# Altium PCB PDM_Rev3.PcbDoc (part 2 of 2)
Units mm, origin at the board's own origin, x right, y up, seen from the top; angles counter-clockwise.
Board outline 93.51 x 85.5 mm, 4 copper layers (Signal Top, Int1 (GND), Int2 (PWR), Signal Bottom), stack 1.766 mm thick; 119 components, 88 nets, 414 pads, 566 vias.
Unrouted connection lines stored in the file: 5.
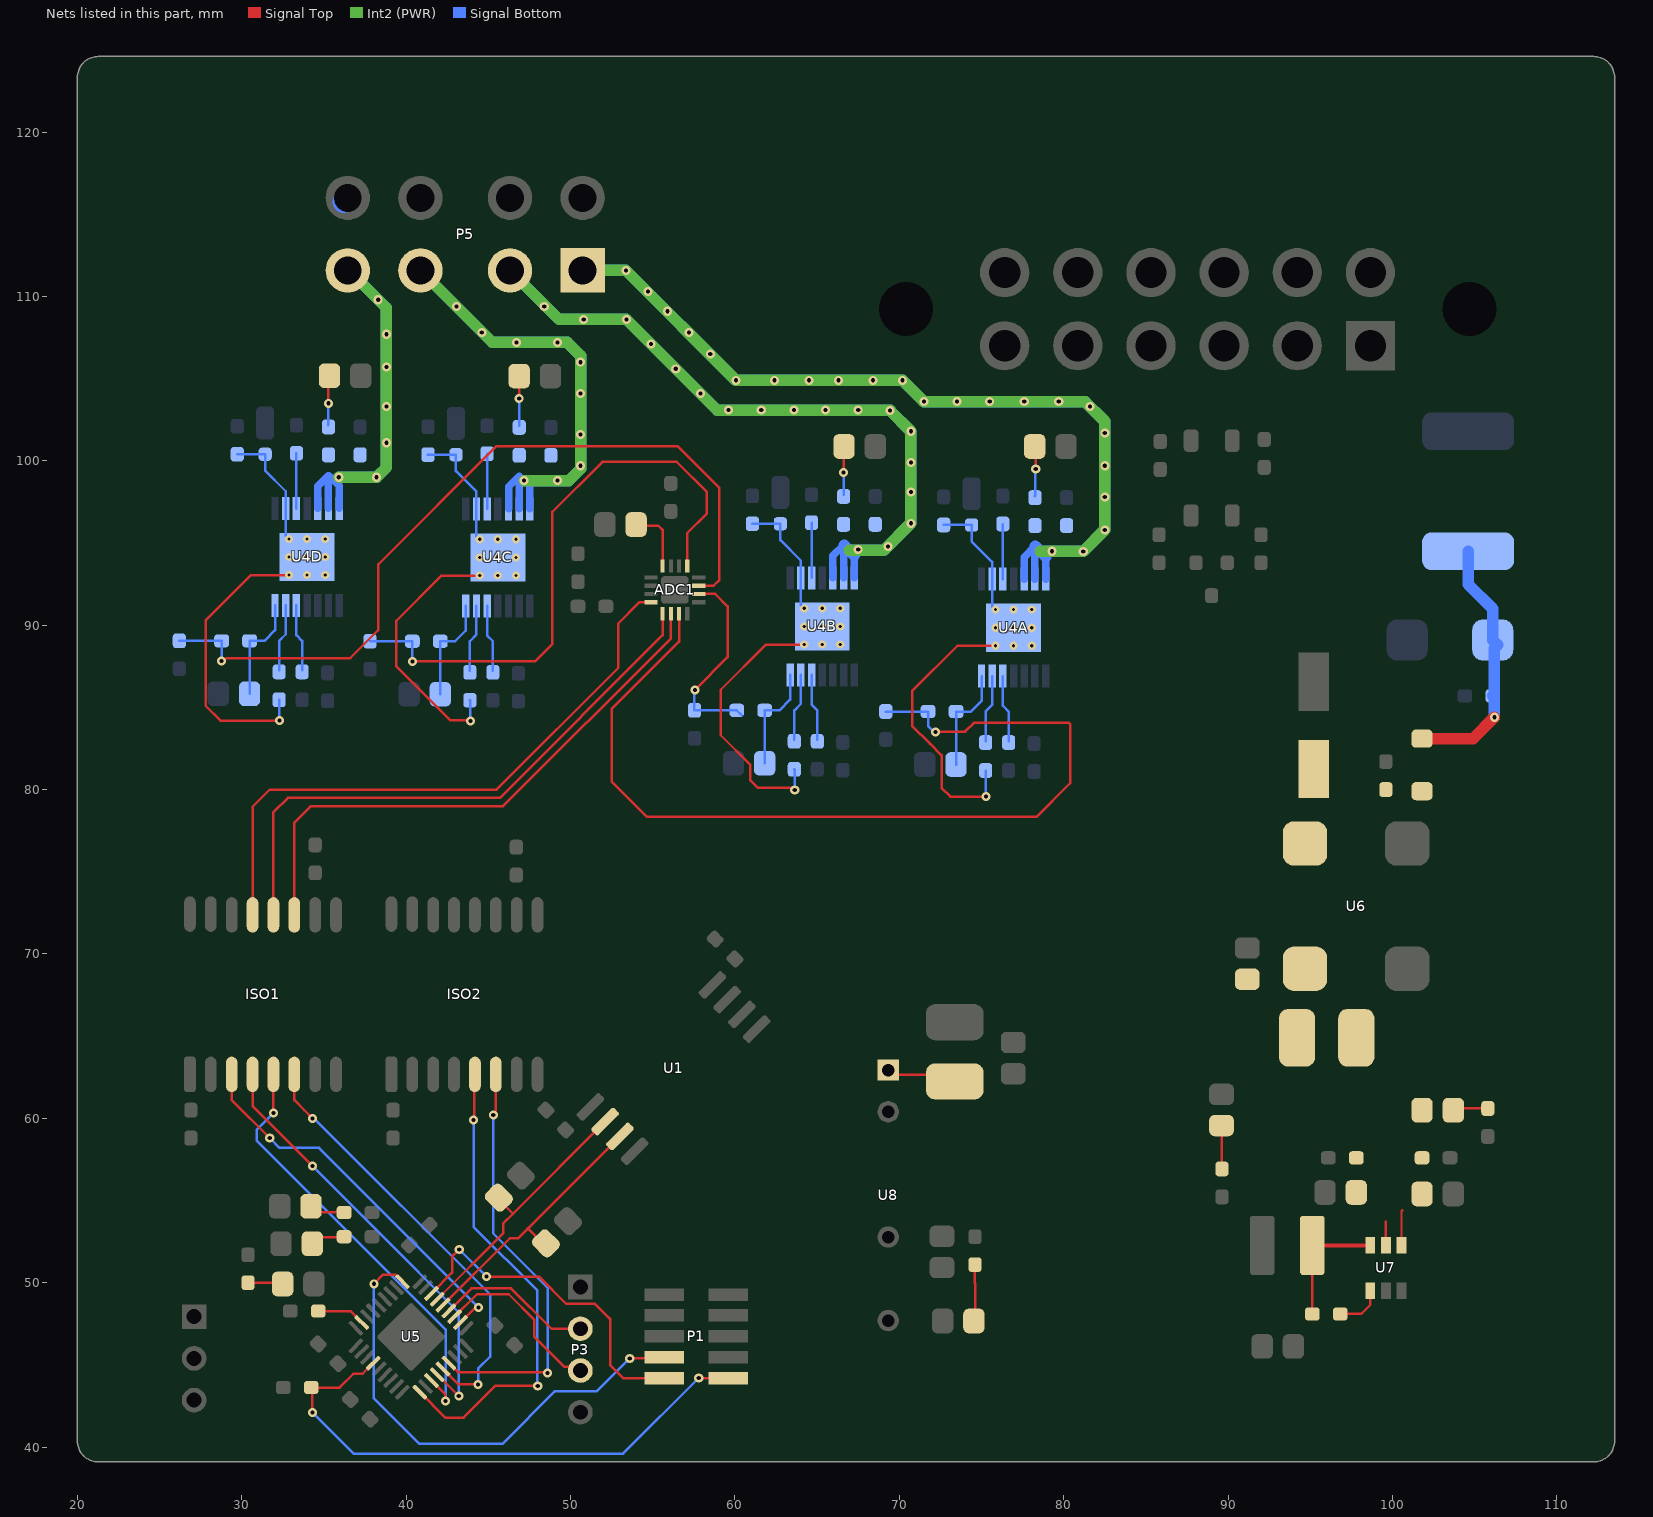
[diagram p4: the nets of this part, all layers, seen from the top]

## Via types
v1: diameter 0.55, hole 0.25, Signal Top to Signal Bottom, 530 vias
v2: diameter 0.5, hole 0.2, Signal Top to Signal Bottom, 36 vias

## Nets (pads, with @x,y where several pads share a name; then routed paths per layer and width w, separated by ;. In a path a pad name is that pad's centre, name@x,y a point inside that pad or via, vN(x,y) a via of type N, cw(c..) or ccw(c..) an arc to the next point about the centre after c; other vN are vias at no path point) (continued)
HSD_EN_(ISO)_3: ISO2.5 U5.10 | length 29.2
  Signal Top w0.152: U5.10@40.83,43.341 42.372,41.8 43.489,41.8 45.416,43.727 v1(48.005,43.727) ; v1(44.1,59.9) 44.141,59.941 44.141,62.634 ISO2.5@44.182,62.675
  Signal Bottom w0.152: v1(44.1,59.9) 44.1,53.4 47.979,49.521 47.979,43.753 v1(48.005,43.727)
HSD_EN_(ISO)_4: ISO2.6 U5.15 | length 25.9
  Signal Top w0.152: U5.15@42.598,45.109 43.149,44.558 48.547,44.558 v1(48.605,44.5) ; v1(45.3,60.2) 45.3,60.308 45.452,60.46 ISO2.6@45.452,62.675
  Signal Bottom w0.152: v1(45.3,60.2) 45.3,53 48.605,49.695 v1(48.605,44.5)
NetADC1_8: ADC1.8 C3.2 | length 3.9
  Signal Top w0.152: C3.2@53.988,96.124 54.062,96.05 55.35,96.05 55.6,95.8 ADC1.8@55.6,93.6
NetC24_2: C24.2 D6.A D8.A F1.2 | length 15.9
  Signal Top w0.7: D6.A@101.8,83.1 104.9,83.1 v1(106.2,84.4)
  Signal Bottom w0.7: F1.2@104.6,94.5 104.6,92.5 106.1,91 D8.A@106.1,89.1 106.4,88.8 106.2,88.6 106.2,86.675 106.206,86.669 106.206,85.506 106.2,85.5 v1(106.2,84.4)
NetC27_1: C27.1 L2.2 U7.6 | length 7.7
  Signal Top w0.152: C27.1@95.125,48.1 L2.2@95.125,52.275
  Signal Top w0.254: L2.2@95.125,52.275 U7.6@98.65,52.275
NetC27_2: C27.2 U7.1 | length 2.9
  Signal Top w0.152: C27.2@96.825,48.1 98.1,48.1 98.65,48.65 U7.1@98.65,49.525
NetD1A_A: D1A.A R6A.1 R8A.2 U4A.0 U4A.2 | length 24.8
  Signal Top w0.152: v1(75.277,79.569) 73.108,79.569 72.577,80.1 72.577,82.081 71.859,82.799 70.777,83.881 70.777,85.998 73.53,88.75 v2(75.85,88.75)
  Signal Bottom w0.152: R8A.2@72.7,96.1 D1A.A@74.4,96.1 74.4,95.1 75.65,93.85 U4A.2@75.65,92.8 75.65,91.15 v2(75.85,90.95) ; R6A.1@75.25,81.161 75.264,81.148 75.264,79.582 v1(75.277,79.569)
  other v2: 76.95,88.75 78.05,88.75 75.85,89.85 76.95,89.85 78.05,89.85 76.95,90.95 78.05,90.95
NetD1B_A: D1B.A R6B.1 R8B.2 U4B.0 U4B.2 | length 24.2
  Signal Top w0.152: v1@63.662,79.9 63.605,79.9 63.405,80.1 61.4,80.1 60.937,80.563 60.937,81.507 59.139,83.305 59.139,86.071 61.892,88.824 v2(64.212,88.824)
  Signal Bottom w0.152: R8B.2@61.062,96.174 D1B.A@62.762,96.174 62.762,95.174 64.012,93.924 U4B.2@64.012,92.874 64.012,91.224 v2(64.212,91.024) ; R6B.1@63.612,81.235 63.626,81.221 63.626,79.987 v1(63.639,79.974)
  other v2: 65.312,88.824 66.412,88.824 64.212,89.924 65.312,89.924 66.412,89.924 65.312,91.024 66.412,91.024
NetD1C_A: D1C.A R6C.1 R8C.2 U4C.0 U4C.2 | length 23.6
  Signal Top w0.152: v1(43.903,84.174) 43.844,84.233 42.667,84.233 39.403,87.497 39.403,90.271 42.156,93.024 v2(44.476,93.024)
  Signal Bottom w0.152: R8C.2@41.326,100.374 D1C.A@43.026,100.374 43.026,99.374 44.276,98.124 U4C.2@44.276,97.074 44.276,95.424 v2(44.476,95.224) ; R6C.1@43.876,85.435 43.89,85.421 43.89,84.187 v1(43.903,84.174)
  other v2: 45.576,93.024 46.676,93.024 44.476,94.124 45.576,94.124 46.676,94.124 45.576,95.224 46.676,95.224
NetD1D_A: D1D.A R6D.1 R8D.2 U4D.0 U4D.2 | length 25
  Signal Top w0.152: v1(32.3,84.2) 28.7,84.2 27.8,85.1 27.8,90.298 30.552,93.05 v2(32.873,93.05)
  Signal Bottom w0.152: R8D.2@29.723,100.4 D1D.A@31.423,100.4 31.423,99.4 32.673,98.15 U4D.2@32.673,97.1 32.673,95.45 v2(32.873,95.25) ; R6D.1@32.273,85.461 32.286,85.448 32.286,84.214 v1(32.3,84.2)
  other v2: 33.973,93.05 35.073,93.05 32.873,94.15 33.973,94.15 35.073,94.15 33.973,95.25 35.073,95.25
NetD2A_A: D2A.A R7A.1 | length 3.1
  Signal Top w0.152: D2A.A@78.238,100.874 78.3,100.812 v1(78.3,99.5)
  Signal Bottom w0.152: R7A.1@78.25,97.85 78.275,97.875 78.275,99.475 v1(78.3,99.5)
NetD2B_A: D2B.A R7B.1 | length 3
  Signal Top w0.152: v1(66.612,99.3) 66.612,100.848 D2B.A@66.638,100.874
  Signal Bottom w0.152: R7B.1@66.612,97.924 v1(66.612,99.3)
NetD2C_A: D2C.A R7C.1 | length 3
  Signal Top w0.152: v1(46.876,103.8) 46.878,103.802 D2C.A@46.878,105.156
  Signal Bottom w0.152: R7C.1@46.876,102.124 v1(46.876,103.8)
NetD2D_A: D2D.A R7D.1 | length 3.1
  Signal Top w0.152: v1(35.273,103.5) 35.273,105.109 D2D.A@35.338,105.174
  Signal Bottom w0.152: R7D.1@35.273,102.15 v1(35.273,103.5)
NetD3_A: D3.A R9.1 | length 2.1
  Signal Top w0.152: R9.1@30.375,50 32.412,50 D3.A@32.488,49.924
NetD4_A: D4.A R10.1 | length 2.2
  Signal Top w0.152: D4.A@34.212,54.651 34.575,54.289 36.211,54.289 R10.1@36.225,54.275
NetD5_A: D5.A R11.1 | length 2.1
  Signal Top w0.152: D5.A@34.287,52.376 34.673,52.763 36.188,52.763 R11.1@36.225,52.8
NetD7_K: D7.K R16.2 | length 2.1
  Signal Top w0.152: D7.K@103.7,60.5 103.8,60.6 R16.2@105.8,60.6
NetD9_K: D9.K R17.2 | length 2.6
  Signal Top w0.152: D9.K@89.6,59.56 89.626,59.534 R17.2@89.626,56.925
NetD10_K: D10.K R18.2 | length 3.4
  Signal Top w0.152: R18.2@74.6,51.1 74.6,49.961 74.612,49.949 D10.K@74.612,47.686
NetISO1_3: ISO1.3 U5.20 | length 23.3
  Signal Top w0.152: ISO1.3@29.385,62.675 29.385,61.115 v1(31.7,58.8) ; U5.20@43.305,47.584 44.221,48.5 v1(44.4,48.5)
  Signal Bottom w0.152: v1(31.7,58.8) 32.3,58.2 34.7,58.2 v1(44.4,48.5)
NetISO1_4: ISO1.4 U5.13 | length 26.6
  Signal Top w0.152: ISO1.4@30.655,62.675 30.655,60.745 v1(34.3,57.1) ; U5.13@41.898,44.402 v1(43.2,43.1)
  Signal Bottom w0.152: v1(34.3,57.1) 38.416,52.984 43.2,48.2 v1(43.2,43.1)
NetISO1_5: ISO1.5 U5.12 | length 26.7
  Signal Top w0.152: ISO1.5@31.925,62.675 ISO1.5@31.925,62.675 31.926,60.329 v1(31.928,60.328) ; U5.12@41.537,44.048 42.389,43.197 42.389,42.811 v1(42.4,42.8)
  Signal Bottom w0.152: v1(31.928,60.328) 30.9,59.3 30.9,58.653 42.4,47.153 v1(42.4,42.8)
NetISO1_6: ISO1.6 U5.14 | length 26.7
  Signal Top w0.152: ISO1.6@33.195,62.675 33.195,61.105 33.809,60.491 v1(34.3,60) ; U5.14@42.245,44.755 43.189,43.811 v1(44.375,43.811)
  Signal Bottom w0.152: v1(34.3,60) 34.4,60 45.1,49.3 45.1,45.5 44.375,44.775 v1(44.375,43.811)
NetL3_1: L3.1 U8.1 | length 4.4
  Signal Top w0.152: U8.1@69.325,62.94 69.615,62.65 72.825,62.65 L3.1@73.375,62.1
NetR2A_2: R2A.2 U4A.3 | length 3.4
  Signal Bottom w0.152: U4A.3@76.3,92.8 R2A.2@76.3,96.15
NetR2B_2: R2B.2 U4B.3 | length 3.4
  Signal Bottom w0.152: U4B.3@64.662,92.874 R2B.2@64.662,96.224
NetR2C_2: R2C.2 U4C.3 | length 3.4
  Signal Bottom w0.152: U4C.3@44.926,97.074 R2C.2@44.926,100.424
NetR2D_2: R2D.2 U4D.3 | length 3.4
  Signal Bottom w0.152: U4D.3@33.323,97.1 R2D.2@33.323,100.45
NetR3A_2: R3A.2 U4A.12 | length 4.1
  Signal Bottom w0.152: U4A.12@76.3,86.9 76.3,85.1 76.65,84.75 R3A.2@76.65,82.95
NetR3B_2: R3B.2 U4B.12 | length 4.1
  Signal Bottom w0.152: U4B.12@64.662,86.974 64.662,85.174 65.012,84.824 R3B.2@65.012,83.024
NetR3C_2: R3C.2 U4C.12 | length 4.1
  Signal Bottom w0.152: U4C.12@44.926,91.174 44.926,89.374 45.276,89.024 R3C.2@45.276,87.224
NetR3D_2: R3D.2 U4D.12 | length 4.1
  Signal Bottom w0.152: U4D.12@33.323,91.2 33.323,89.4 33.673,89.05 R3D.2@33.673,87.25
NetR4A_2: R4A.2 R5A.2 U4A.14 | length 6.5
  Signal Bottom w0.152: R5A.2@73.45,81.526 R4A.2@73.45,84.75 74.35,84.75 75,85.4 U4A.14@75,86.9
NetR4B_2: R4B.2 R5B.2 U4B.14 | length 6.5
  Signal Bottom w0.152: R5B.2@61.812,81.6 R4B.2@61.812,84.824 62.712,84.824 63.362,85.474 U4B.14@63.362,86.974
NetR4C_2: R4C.2 R5C.2 U4C.14 | length 6.5
  Signal Bottom w0.152: R5C.2@42.076,85.8 R4C.2@42.076,89.024 42.976,89.024 43.626,89.674 U4C.14@43.626,91.174
NetR4D_2: R4D.2 R5D.2 U4D.14 | length 6.5
  Signal Bottom w0.152: R5D.2@30.473,85.826 R4D.2@30.473,89.05 31.373,89.05 32.023,89.7 U4D.14@32.023,91.2
NetR6A_2: R6A.2 U4A.13 | length 4.1
  Signal Bottom w0.152: R6A.2@75.25,82.95 75.25,84.75 75.65,85.15 U4A.13@75.65,86.9
NetR6B_2: R6B.2 U4B.13 | length 4.1
  Signal Bottom w0.152: R6B.2@63.612,83.024 63.612,84.824 64.012,85.224 U4B.13@64.012,86.974
NetR6C_2: R6C.2 U4C.13 | length 4.1
  Signal Bottom w0.152: R6C.2@43.876,87.224 43.876,89.024 44.276,89.424 U4C.13@44.276,91.174
NetR6D_2: R6D.2 U4D.13 | length 4.1
  Signal Bottom w0.152: R6D.2@32.273,87.25 32.273,89.05 32.673,89.45 U4D.13@32.673,91.2
NetR12_1: R12.1 U1.3 U5.23 | length 16.5
  Signal Top w0.152: U5.23@42.245,48.645 46.3,52.7 46.8,52.7 47.4,53.3 ; R12.1@48.5,52.4 48.3,52.4 47.4,53.3 ; U1.3@53,58.9 47.4,53.3
NetR13_1: R13.1 U1.2 U5.24 | length 16.4
  Signal Top w0.152: U5.24@41.891,48.998 45.9,53.007 45.9,53.596 46.502,54.198 ; R13.1@45.636,55.174 45.636,55.064 46.502,54.198 ; U1.2@52.102,59.798 46.502,54.198
NetR15_2: R15.2 U5.35 | length 2.9
  Signal Top w0.152: R15.2@34.65,48.275 36.604,48.275 U5.35@37.295,47.584
NRST: P1.1 R14.1 U5.4 | length 34.2
  Signal Top w0.152: v1(34.3,42.1) 34.3,43.55 R14.1@34.225,43.625 35.95,43.625 36.786,44.461 37.354,44.461 U5.4@38.002,45.109 ; v1(57.8,44.2) P1.1@59.6,44.2
  Signal Bottom w0.152: v1(34.3,42.1) 36.8,39.6 53.2,39.6 v1(57.8,44.2)
SCLCK: ADC1.13 ISO1.12 | length 35.7
  Signal Top w0.152: ISO1.12@31.925,72.377 31.925,78.625 32.8,79.5 45.7,79.5 55.6,89.4 ADC1.13@55.6,90.7
SDI: ADC1.14 ISO1.11 | length 34.7
  Signal Top w0.152: ISO1.11@33.195,72.377 33.195,77.995 34.2,79 45.9,79 56.1,89.2 ADC1.14@56.1,90.7
SDO: ADC1.12 ISO1.13 | length 37.6
  Signal Top w0.152: ISO1.13@30.655,72.377 30.655,78.955 31.7,80 45.5,80 52.9,87.4 52.9,90.1 54.2,91.4 ADC1.12@54.9,91.4
SNS1: ADC1.3 C13D.2 R4D.1 | length 49.9
  Signal Top w0.152: v1(28.773,87.827) 28.88,87.827 29.053,88 36.6,88 38.3,89.7 38.3,93.7 45.5,100.9 56.505,100.9 59.055,98.349 59.055,92.755 58.7,92.4 58.428,92.4 ADC1.3@57.8,92.4
  Signal Bottom w0.152: C13D.2@26.2,89.05 R4D.1@28.773,89.05 v1(28.773,87.827) v1@28.8,87.8
SNS2: ADC1.5 C13C.2 R4C.1 | length 37.3
  Signal Top w0.152: v1(40.376,87.801) 47.846,87.801 48.9,88.855 48.9,96.9 51.937,99.937 56.463,99.937 58.3,98.1 58.3,96.8 57.1,95.6 ADC1.5@57.1,93.6
  Signal Bottom w0.152: C13C.2@37.803,89.024 R4C.1@40.376,89.024 v1(40.376,87.801) v1@40.403,87.774
SNS3: ADC1.2 C13B.2 R4B.1 | length 12.3
  Signal Top w0.152: v1(57.57,86.07) 59.555,88.055 59.555,91.147 58.802,91.9 ADC1.2@57.8,91.9
  Signal Bottom w0.152: v1@57.6,86.1 v1(57.57,86.07) 57.539,86.039 C13B.2@57.539,84.824 R4B.1@60.112,84.824 R4B.1@60.402,84.534
SNS4: ADC1.15 C13A.2 R4A.1 | length 57.6
  Signal Top w0.152: ADC1.15@56.6,90.7 56.6,89 52.5,84.9 52.5,80.5 54.66,78.34 78.34,78.34 80.4,80.4 80.4,83.966 80.311,84.055 74.532,84.055 74.004,83.527 72.227,83.527 v1(72.2,83.5)
  Signal Bottom w0.152: C13A.2@69.177,84.75 R4A.1@71.75,84.75 71.75,83.871 72.121,83.5 v1(72.2,83.5)
SWCLK: P1.4 U5.28 | length 30.1
  Signal Top w0.152: v1(38.037,49.937) 38.595,50.495 39.333,50.495 U5.28@39.77,50.059 ; v1(53.6,45.4) 55.63,45.4 P1.4@55.7,45.47
  Signal Bottom w0.152: v1(38.037,49.937) 38.037,42.963 40.8,40.2 45.856,40.2 49.064,43.408 51.608,43.408 v1@53.615,45.415
SWDIO: P1.2 U5.25 | length 20.7
  Signal Top w0.152: U5.25@41.537,49.352 42.8,50.614 42.8,51.6 v1(43.228,52.028) ; v1(44.878,50.378) 48.072,50.378 49.736,48.714 51.486,48.714 52.4,47.8 52.4,45 53.2,44.2 P1.2@55.7,44.2
  Signal Bottom w0.152: v1(43.228,52.028) v1(44.878,50.378)
UART_RX: P3.2 U5.22 | length 9.6
  Signal Top w0.152: U5.22@42.598,48.291 43.962,49.655 46.386,49.655 48.841,47.2 P3.2@50.6,47.2
UART_TX: P3.3 U5.21 | length 10.7
  Signal Top w0.152: U5.21@42.952,47.937 44.314,49.3 46.239,49.3 47.8,47.739 47.8,46.7 49.622,44.878 50.382,44.878 P3.3@50.6,44.66
VBAT_C: C21.2 L1.2 U6.2
VBAT_D: C25.2 C26.2 D6.K U6.1
VBAT_F: C22.2 C23.2 C28.2 C29.2 D7.A L1.1 U7.4 U7.5 | length 3.6
  Signal Top w0.152: U7.5@99.6,52.275 99.6,53.7 ; U7.4@100.55,52.275 100.55,54.35 100.6,54.4
VOUT_1: C14A.2 P5.1 R7A.2 U4A.5 U4A.6 U4A.7 | length 99.8
  Int2 (PWR) w0.7: P5.1@50.737,111.582 v1(53.372,111.582) v1(60.054,104.9) v1(70.2,104.9) v1(71.5,103.6) 81.3,103.6 82.5,102.4 v1(82.5,95.8) v1(81.189,94.489) 78.589,94.489
  Signal Bottom w0.456: U4A.5@77.6,92.8 77.6,94.148 78.25,94.798 U4A.6@78.25,92.8 ; U4A.7@78.9,92.8 78.9,94.177
  Signal Bottom w0.7: P5.1@50.737,111.582 v1(53.372,111.582) v1(60.054,104.9) v1(70.2,104.9) v1(71.5,103.6) 81.3,103.6 82.5,102.4 v1(82.5,95.8) v1(81.189,94.489) 78.589,94.489 ; 78.277,94.8 78.589,94.489 ; 78.9,94.177 78.589,94.489
  other v1: 79.3,94.5 82.5,97.8 82.5,99.7 82.5,101.7 81.6,103.3 73.5,103.6 75.5,103.6 77.6,103.6 79.7,103.6 62.4,104.9 64.5,104.9 66.3,104.9 68.4,104.9 58.5,106.5 57.2,107.8 55.9,109.1 54.7,110.3
VOUT_2: C14B.2 P5.2 R7B.2 U4B.5 U4B.6 U4B.7 | length 83.4
  Int2 (PWR) w0.7: P5.2@46.317,111.582 49.299,108.6 v1(53.4,108.6) 58.934,103.066 v1(69.434,103.066) v1(70.7,101.8) v1(70.7,96.2) 69.062,94.562 66.951,94.562
  Signal Bottom w0.456: U4B.5@65.962,92.874 65.962,94.222 66.612,94.872 U4B.6@66.612,92.874 ; U4B.7@67.262,92.874 67.262,94.251
  Signal Bottom w0.7: P5.2@46.317,111.582 49.299,108.6 v1(53.4,108.6) 58.934,103.066 v1(69.434,103.066) v1(70.7,101.8) v1(70.7,96.2) 69.062,94.562 66.951,94.562 ; 66.639,94.874 66.951,94.562 ; 67.262,94.251 66.951,94.562
  other v1: 67.5,94.6 69.3,94.8 70.7,98.1 70.7,99.9 59.6,103.1 61.6,103.1 63.6,103.1 65.5,103.1 67.5,103.1 57.9,104.1 56.4,105.6 54.9,107.1 50.8,108.6 48.4,109.4
VOUT_3: C14C.2 P5.3 R7C.2 U4C.5 U4C.6 U4C.7 | length 50.6
  Int2 (PWR) w0.7: P5.3@40.867,111.582 45.249,107.2 49.8,107.2 50.607,106.393 50.607,99.507 49.9,98.8 v1@47.176,98.8
  Signal Bottom w0.456: U4C.5@46.226,97.074 46.226,98.422 46.876,99.072 46.876,98.8 U4C.6@46.876,97.074 ; U4C.7@47.526,97.074 47.526,98.451
  Signal Bottom w0.7: P5.3@40.867,111.582 45.249,107.2 49.8,107.2 50.607,106.393 50.607,99.507 49.9,98.8 v1@47.176,98.8
  other v1: 47.177,98.8 49.2,98.8 50.6,99.7 50.6,101.6 50.6,104.1 50.6,106 46.7,107.2 49.2,107.2 44.6,107.8 43.058,109.391
VOUT_4: C14D.2 P5.4 R7D.2 U4D.5 U4D.6 U4D.7 | length 39.2
  Int2 (PWR) w0.7: v1(35.9,99) v1(38.2,99) 38.8,99.6 v1(38.8,103.3) v1(38.8,105.7) 38.8,109.3 36.518,111.582 P5.4@36.447,111.582
  Signal Bottom w0.456: U4D.5@34.623,97.1 34.623,98.448 35.273,99.098 U4D.6@35.273,97.1 ; 35.3,99.1 35.923,98.477 U4D.7@35.923,97.1
  Signal Bottom w0.7: v1(35.9,99) v1(38.2,99) 38.8,99.6 v1(38.8,103.3) v1(38.8,105.7) 38.8,109.3 36.518,111.582 P5.4@36.447,111.582
  Signal Bottom w1.368: 36.192,115.747 36.447,116.002
  other v1: 38.8,101.1 38.8,107.7 38.3,109.8
pads on no net: ISO2.7 P1.3 P1.9 P1.10 P4.0 P4.2 P4.3 P4.6 P4.7 P4.8 P4.9 P4.10 U4A.1 U4A.4 U4A.11 U4B.1 U4B.4 U4B.11 U4C.1 U4C.4 U4C.11 U4D.1 U4D.4 U4D.11 U5.2 U5.3 U5.7 U5.11 U5.16 U5.17 U5.29 U5.30 U5.31

## Polygon pours and split planes (outlines as drawn)
0V on Signal Top "Signal_Top_0V" (solid, pour order 173): 19.999,123.334 cw(c21.247,123.374) 21.207,124.622 112.243,124.622 cw(c112.243,123.352) 113.513,123.352 113.513,40.329 cw(c112.305,40.329) 112.305,39.122 80.099,39.122 80.099,55.022 76.399,58.622 63.399,58.722 52.499,69.522 19.999,69.522
GLV- on Signal Top "5V_TOP_1" (solid, pour order 147): 34.6,114.5 34.6,118.4 36.5,120.3 93.9,120.3 95.7,118.5 95.7,111.3 92.6,111.3 92.6,114 90.6,116 54.6,116 53.1,114.5 38.4,114.5
0V_(ISO) on Signal Top "Signal_Top_0V_I(ISO)" (solid, pour order 172): 25.246,39.04 76.162,39.04 76.162,53.406 75.128,54.44 61.928,54.44 50.928,65.44 20.028,65.44 20.028,40.328 ccw(c21.316,40.328) 21.316,39.04
5V on Signal Top "5V_TOP_1" (solid, pour order 146): 91.3,46.5 91.3,47 90.718,47.582 90.718,53.887 91.131,54.3 92.8,54.3 93.1,54 93.1,46.7 92.9,46.5 92.9,45.3 92.7,45.1 91.513,45.1 91.312,45.301
VBAT_F on Signal Top "5V_TOP_1_VBAT_F" (solid, pour order 157): 98.7,66.6 96.8,66.6 96.5,66.3 96.5,62.8 97.3,62 97.3,58.9 96.8,58.4 96.8,53.5 102.5,53.5 102.5,56.2 102.3,56.4 102.3,59.6 102.5,59.8 102.5,61.4 101.9,62 99.4,62 99,62.4 99,66.3
VBAT_D on Signal Top "Signal_Top_VBAT_D" (solid, pour order 163): 94.2,83.1 94.2,78.7 93.2,77.7 93.2,75.7 93.6,75.3 95.7,75.3 96.1,75.7 96.1,78 97.2,79.1 102.1,79.1 102.5,79.5 102.5,80.3 102.2,80.6 100.7,80.6 98.59,80.6 96.2,82.773 96.2,83.1
VBAT_C on Signal Top "Signal_Top_VBAT_C" (solid, pour order 158): 95,63 95.5,63.5 95.4,63.6 95.4,67.4 96.1,68.1 96.1,70.2 95.7,70.6 93.4,70.6 92.7,69.9 92.7,69.2 92.6,69.1 90.6,69.1 90.4,68.9 90.4,64.9 92.3,63
0V on Signal Bottom "Signal_Botoom_0V" (solid, pour order 170): 19.999,123.334 cw(c21.247,123.374) 21.207,124.622 112.243,124.622 cw(c112.243,123.352) 113.513,123.352 113.513,40.329 cw(c112.305,40.329) 112.305,39.122 80.099,39.122 80.099,55.022 76.399,58.622 63.399,58.722 52.499,69.522 19.999,69.522
GLV+ on Signal Bottom "SignalBottom_GLV+" (solid, pour order 168): 34.5,87 ccw(c35.1,87) 35.1,86.4 36.3,85.2 cw(c36.059,84.959) 36.4,84.959 36.4,83.441 ccw(c36.741,83.441) 36.5,83.2 37.717,81.983 ccw(c38.4,82.666) 38.4,81.7 45.334,81.7 cw(c45.334,80.334) 46.3,81.3 49.288,78.312 cw(c48.776,77.8) 49.5,77.8 ccw(c49.983,77.8) 49.641,77.459 52.117,74.983 ccw(c52.8,75.666) 52.8,74.7 68.776,74.7 cw(c68.776,73.676) 69.5,74.4 ccw(c69.983,74.883) 69.983,74.2 78.334,74.2 ccw(c78.334,75.566) 79.3,74.6 97.676,92.976 ccw(c96.651,94) 98.1,94 98.1,98.234 cw(c99.466,98.234) 98.5,99.2 cw(c100.19,97.51) 100.19,99.9 106.6,99.9 ccw(c106.6,101.1) 107.8,101.1 107.8,114.7 107,115.5 99.8,115.5 96.64,112.34 96.64,110.84 98.046,109.433 100.433,109.433 100.5,109.5 101.537,108.463 101.537,104.3 99.8,104.3 ccw(c99.8,103.093) 98.946,103.946 95.666,100.666 ccw(c97.031,99.3) 95.1,99.3 95.1,95.449 cw(c93.051,95.449) 94.5,94 82.7,82.2 81.4,83.5 79,83.5 79,84.9 ccw(c78.3,84.9) 78.3,85.6 78.2,85.6 ccw(c78.2,84.9) 77.5,84.9 77.5,82.8 ccw(c78.2,82.8) 78.2,82.1 80.6,82.1 81.6,81.1 77.7,77.2 71.4,77.2 71.4,79.5 ccw(c70.917,79.5) 71.259,79.841 67.741,83.359 ccw(c67.4,83.017) 67.4,83.5 67.4,84.8 ccw(c66.6,84.8) 66.6,85.6 ccw(c66.6,84.9) 65.9,84.9 65.9,82.8 ccw(c66.6,82.8) 66.6,82.1 66.8,82.1 cw(c66.8,81.641) 67.125,81.966 69.675,79.415 cw(c68.89,78.631) 70,78.631 70,77.2 cw(c68.793,78.407) 68.793,76.7 54.21,76.7 cw(c54.21,78.811) 52.718,77.318 51.728,78.307 cw(c52.521,79.1) 51.4,79.1 51.4,85.676 ccw(c50.376,85.676) 51.1,86.4 49.983,87.517 ccw(c49.3,86.834) 49.3,87.8 47.6,87.8 47.6,89.1 ccw(c46.9,89.1) 46.9,89.8 ccw(c46.9,89) 46.1,89 46.1,87 ccw(c46.7,87) 46.7,86.4 48.817,86.4 cw(c48.817,85.717) 49.3,86.2 49.859,85.641 cw(c49.517,85.3) 50,85.3 50,79.5 46.541,82.959 ccw(c46.2,82.617) 46.2,83.1 38.741,83.1 cw(c38.741,83.441) 38.5,83.2 37.841,83.859 cw(c38.183,84.2) 37.7,84.2 37.7,85.517 ccw(c37.017,85.517) 37.5,86 36.141,87.359 cw(c36.483,87.7) 36,87.7 36,89.1 ccw(c35.3,89.1) 35.3,89.8 ccw(c35.3,89) 34.5,89
NetC24_2 on Signal Bottom "NONET_L-01_P-001" (solid, pour order 167): 102.111,96.262 101.23,95.382 101.23,93.451 104.239,90.442 104.239,88.031 105.5,86.771 105.5,83.863 105.564,83.863 105.952,83.474 106.63,83.474 107,83.845 107,87.237 107.918,88.155 107.918,93.452 107.906,93.465 107.906,95.535 107.816,95.535 107.132,96.22
VOUT_3 on Signal Bottom "Signal_Bottom_VOUT3" (solid, pour order 148): 46.003,98.074 47.803,98.074 49.5,99.77 49.5,100.574 47.443,100.574 46.003,99.374
VOUT_4 on Signal Bottom "Signal_Bottom_VOUT4" (solid, pour order 149): 34.4,98.1 36.2,98.1 37.9,99.8 37.9,100.6 35.84,100.6 34.4,99.4
VOUT_2 on Signal Bottom "Signal_Bottom_VOUT2" (solid, pour order 150): 65.739,93.874 67.539,93.874 69.3,95.635 69.3,96.374 67.179,96.374 65.739,95.174
VOUT_1 on Signal Bottom "Signal_Bottom_VOUT1" (solid, pour order 151): 77.377,93.8 79.177,93.8 80.9,95.523 80.9,96.3 78.817,96.3 77.377,95.1
NetD1D_A on Signal Bottom "5V_Bottom_D" (solid, pour order 155): 29.2,100.9 31.9,100.9 31.9,98.6 31.5,98.2 31.5,95.9 31.7,95.7 35.7,95.7 35.8,95.6 35.8,92.7 35.7,92.6 29.3,92.6 29.2,92.7
NetD1C_A on Signal Bottom "5V_Bottom_C" (solid, pour order 159): 40.803,100.874 43.503,100.874 43.503,98.574 43.103,98.174 43.103,95.874 43.303,95.674 47.303,95.674 47.403,95.574 47.403,92.674 47.303,92.574 40.903,92.574 40.803,92.674
NetD1B_A on Signal Bottom "5V_Bottom_B" (solid, pour order 160): 60.539,96.674 63.239,96.674 63.239,94.374 62.839,93.974 62.839,91.674 63.039,91.474 67.039,91.474 67.139,91.374 67.139,88.474 67.039,88.374 60.639,88.374 60.539,88.474
NetD1A_A on Signal Bottom "5V_Bottom_A" (solid, pour order 161): 72.177,96.6 74.877,96.6 74.877,94.3 74.477,93.9 74.477,91.6 74.677,91.4 78.677,91.4 78.777,91.3 78.777,88.4 78.677,88.3 72.277,88.3 72.177,88.4
GLV+ on Signal Bottom "GLV+_A" (solid, remove dead copper, pour order 162): 79.2,85.95 77.4,85.95 77.4,85.3 77.75,84.95 77.75,82.45 77.9,82.3 78.6,82.3 78.8,82.5 78.8,85 79.2,85.4
GLV+ on Signal Bottom "GLV+_B" (solid, remove dead copper, pour order 164): 67.562,86.024 65.762,86.024 65.762,85.374 66.112,85.024 66.112,82.524 66.262,82.374 66.962,82.374 67.162,82.574 67.162,85.074 67.562,85.474
GLV+ on Signal Bottom "GLV+_C" (solid, remove dead copper, pour order 165): 47.8,90.224 46.026,90.224 46.026,89.574 46.376,89.224 46.376,86.724 46.526,86.574 47.226,86.574 47.426,86.774 47.426,89.274 47.8,89.648
GLV+ on Signal Bottom "GLV+_D" (solid, remove dead copper, pour order 166): 36.223,90.25 34.423,90.25 34.423,89.6 34.773,89.25 34.773,86.75 34.923,86.6 35.623,86.6 35.823,86.8 35.823,89.3 36.223,89.7
0V_(ISO) on Signal Bottom "Signal_Bottom_0V_(ISO)" (solid, pour order 171): 20.927,39.1 76.162,39.1 76.162,53.406 75.128,54.44 61.928,54.44 50.928,65.44 20.028,65.44 20.028,40.328 ccw(c21.316,40.328)
0V on Int1 (GND) "GND_0V" (solid, pour order 169): 19.999,123.334 cw(c21.247,123.374) 21.207,124.622 112.243,124.622 cw(c112.243,123.352) 113.513,123.352 113.513,40.329 cw(c112.305,40.329) 112.305,39.122 80.099,39.122 80.099,55.022 76.399,58.622 63.399,58.722 52.499,69.522 19.999,69.522
0V_(ISO) on Int1 (GND) "GND_0V_(ISO)" (solid, pour order 152): 25.217,39.1 76.134,39.1 76.134,53.466 75.1,54.5 61.9,54.5 50.9,65.5 20,65.5 20,40.388 ccw(c21.288,40.388) 21.288,39.1
5V on Int2 (PWR) "PWR_5V" (solid, pour order 179): 80.099,55.022 76.399,58.622 63.544,58.719 52.499,69.522 19.999,69.522 19.999,123.334 cw(c21.287,123.334) 21.287,124.622 112.243,124.622 cw(c112.243,123.352) 113.513,123.352 113.513,40.392 cw(c112.243,40.392) 112.243,39.122 80.099,39.122
GLV+ on Int2 (PWR) "PWR_GLV+" (solid, pour order 154): 34.5,87 ccw(c35.1,87) 35.1,86.4 36.3,85.2 cw(c36.059,84.959) 36.4,84.959 36.4,83.441 ccw(c36.741,83.441) 36.5,83.2 37.717,81.983 ccw(c38.4,82.666) 38.4,81.7 45.334,81.7 cw(c45.334,80.334) 46.3,81.3 49.288,78.312 cw(c48.776,77.8) 49.5,77.8 ccw(c49.983,77.8) 49.641,77.459 52.117,74.983 ccw(c52.8,75.666) 52.8,74.7 68.776,74.7 cw(c68.776,73.676) 69.5,74.4 ccw(c69.983,74.883) 69.983,74.2 78.334,74.2 ccw(c78.334,75.566) 79.3,74.6 97.676,92.976 ccw(c96.651,94) 98.1,94 98.1,98.234 cw(c99.466,98.234) 98.5,99.2 cw(c100.19,97.51) 100.19,99.9 106.6,99.9 ccw(c106.6,101.1) 107.8,101.1 107.8,114.7 107,115.5 99.8,115.5 96.64,112.34 96.64,110.84 98.046,109.433 100.433,109.433 100.5,109.5 101.537,108.463 101.537,104.3 99.8,104.3 ccw(c99.8,103.093) 98.946,103.946 95.666,100.666 ccw(c97.031,99.3) 95.1,99.3 95.1,95.449 cw(c93.051,95.449) 94.5,94 82.7,82.2 81.4,83.5 79,83.5 79,84.9 ccw(c78.3,84.9) 78.3,85.6 78.2,85.6 ccw(c78.2,84.9) 77.5,84.9 77.5,82.8 ccw(c78.2,82.8) 78.2,82.1 80.6,82.1 81.6,81.1 77.7,77.2 71.4,77.2 71.4,79.5 ccw(c70.917,79.5) 71.259,79.841 67.741,83.359 ccw(c67.4,83.017) 67.4,83.5 67.4,84.8 ccw(c66.6,84.8) 66.6,85.6 ccw(c66.6,84.9) 65.9,84.9 65.9,82.8 ccw(c66.6,82.8) 66.6,82.1 66.8,82.1 cw(c66.8,81.641) 67.125,81.966 69.675,79.415 cw(c68.89,78.631) 70,78.631 70,77.2 cw(c68.793,78.407) 68.793,76.7 54.21,76.7 cw(c54.21,78.811) 52.718,77.318 51.728,78.307 cw(c52.521,79.1) 51.4,79.1 51.4,85.676 ccw(c50.376,85.676) 51.1,86.4 49.983,87.517 ccw(c49.3,86.834) 49.3,87.8 47.6,87.8 47.6,89.1 ccw(c46.9,89.1) 46.9,89.8 ccw(c46.9,89) 46.1,89 46.1,87 ccw(c46.7,87) 46.7,86.4 48.817,86.4 cw(c48.817,85.717) 49.3,86.2 49.859,85.641 cw(c49.517,85.3) 50,85.3 50,79.5 46.541,82.959 ccw(c46.2,82.617) 46.2,83.1 38.741,83.1 cw(c38.741,83.441) 38.5,83.2 37.841,83.859 cw(c38.183,84.2) 37.7,84.2 37.7,85.517 ccw(c37.017,85.517) 37.5,86 36.141,87.359 cw(c36.483,87.7) 36,87.7 36,89.1 ccw(c35.3,89.1) 35.3,89.8 ccw(c35.3,89) 34.5,89
3V3 on Int2 (PWR) "PWR_3V3" (solid, pour order 156): 25.217,39.1 76.134,39.1 76.134,53.466 75.1,54.5 61.9,54.5 50.9,65.5 20,65.5 20,40.388 ccw(c21.288,40.388) 21.288,39.1

## Keep-outs
Keep-Out Layer:
  region: 108.613,124.6 112.243,124.6 cw(c112.243,123.33) 113.141,124.228 cw(c112.243,123.33) 113.513,123.33 113.513,40.37 cw(c112.243,40.37) 113.141,39.472 cw(c112.243,40.37) 112.243,39.1 108.613,39.1
  region: 24.918,39.1 21.288,39.1 cw(c21.288,40.37) 20.39,39.472 cw(c21.288,40.37) 20.018,40.37 20.018,123.33 cw(c21.288,123.33) 20.39,124.228 cw(c21.288,123.33) 21.288,124.6 24.918,124.6

## Other copper
Signal Top:
  pour cut-out: 53.372,112.541 cw(c53.372,111.583) 54.05,112.26 59.78,106.53 ccw(c61.3,108.05) 61.3,105.9 69.751,105.9 cw(c69.752,103.853) 71.2,105.3 71.688,104.812 ccw(c72.2,105.324) 72.2,104.6 81.199,104.6 cw(c81.199,103.5) 81.978,104.278 83.178,103.078 cw(c82.501,102.401) 83.458,102.4 83.458,95.8 cw(c82.501,95.8) 83.178,95.122 81.866,93.811 cw(c81.189,94.488) 81.189,93.53 79.185,93.625 79.185,95.1 79.893,95.1 ccw(c79.893,96.807) 81.1,95.6 ccw(c79.893,96.807) 81.6,96.807 81.6,101.476 ccw(c80.577,101.476) 81.3,102.2 ccw(c80.234,101.135) 80.233,102.642 71.882,102.642 ccw(c71.881,102.419) 71.658,102.418 71.658,101.8 71.6,96.9 71.6,96.501 cw(c69.776,96.5) 71.065,95.21 69.74,93.885 cw(c69.063,94.562) 69.062,93.604 67.385,93.725 67.385,95.475 68.802,95.457 cw(c68.803,95.406) 68.839,95.442 cw(c68.876,95.405) 68.876,95.457 68.916,95.457 ccw(c68.916,95.58) 69.003,95.493 69.484,95.974 ccw(c68.861,96.597) 69.742,96.597 69.742,101.116 ccw(c68.918,101.117) 69.5,101.7 69.283,101.917 ccw(c69.003,101.799) 68.959,102.1 59.066,102.1 cw(c59.066,103.465) 58.1,102.5 53.354,107.246 ccw(c52.501,106.395) 52.5,107.6 ccw(c52.5,106.7) 51.6,106.7 51.6,99.592 cw(c50.523,99.591) 51.284,98.829 50.578,98.122 cw(c49.9,98.799) 49.9,97.842 47.176,97.842 47.176,99.758 49.42,99.758 49.42,99.77 49.517,99.77 ccw(c49.517,100.038) 49.785,100.038 49.785,105.86 ccw(c49.403,105.86) 49.403,106.242 45.6,106.3 45.109,106.3 cw(c45.108,107.059) 44.571,106.522 41.395,109.699 ccw(c41.395,109.778) 41.45,109.722 42.752,111.056 45.109,108.7 ccw(c46.158,109.526) 46,108.2 47.659,108.2 ccw(c47.739,108.265) 47.728,108.162 ccw(c47.591,108.495) 47.924,108.357 47.924,108.62 46.845,109.699 48.076,110.931 ccw(c47.617,111.39) 48.266,111.416 ccw(c48.259,111.433) 48.276,111.426 50.5,112.5 cw(c50.666,112.238) 50.734,112.541
  pour cut-out: 78.9,91.062 ccw(c78.162,91.062) 78.162,91.8 75.738,91.8 ccw(c75.738,91.062) 75,91.062 75,88.638 ccw(c75.738,88.638) 75.738,87.9 78.162,87.9 ccw(c78.162,88.638) 78.9,88.638
  pour cut-out: 67.262,91.136 ccw(c66.524,91.136) 66.524,91.874 64.1,91.874 ccw(c64.1,91.136) 63.362,91.136 63.362,88.712 ccw(c64.1,88.712) 64.1,87.974 66.524,87.974 ccw(c66.524,88.712) 67.262,88.712
  pour cut-out: 47.526,95.336 ccw(c46.788,95.336) 46.788,96.074 44.364,96.074 ccw(c44.364,95.336) 43.626,95.336 43.626,92.912 ccw(c44.364,92.912) 44.364,92.174 46.788,92.174 ccw(c46.788,92.912) 47.526,92.912
  pour cut-out: 35.923,95.362 ccw(c35.185,95.362) 35.185,96.1 32.761,96.1 ccw(c32.761,95.362) 32.023,95.362 32.023,92.938 ccw(c32.761,92.938) 32.761,92.2 35.185,92.2 ccw(c35.185,92.938) 35.923,92.938
  pour cut-out: 35.025,99.115 35.025,98.885 35.085,98.662 35.2,98.463 35.363,98.3 35.562,98.185 35.785,98.125 36.015,98.125 38.369,98.125 38.538,98.185 38.737,98.3 38.808,98.371 39.214,98.861 39.615,99.396 39.675,100.985 39.675,107.815 39.615,109.506 39.115,110.138 39,110.337 38.837,110.5 38.322,111.014 37.052,109.688 37.763,109.1 37.859,108.881 37.925,107.815 37.803,99.958 35.785,99.875 35.623,99.811 35.363,99.7 35.2,99.537 35.085,99.338
  pour cut-out: 68.073,60.565 68.159,60.883 68.324,61.168 68.557,61.401 68.842,61.566 69.16,61.651 69.49,61.651 69.808,61.566 70.093,61.401 70.326,61.168 70.491,60.883 70.576,60.565 70.576,60.235 70.491,59.917 70.326,59.632 70.093,59.399 69.808,59.234 69.49,59.149 69.16,59.149 68.842,59.234 68.557,59.399 68.324,59.632 68.159,59.917 68.073,60.235
  pour cut-out: 68.073,52.945 68.159,53.263 68.324,53.548 68.557,53.781 68.842,53.946 69.16,54.031 69.49,54.031 69.808,53.946 70.093,53.781 70.326,53.548 70.491,53.263 70.576,52.945 70.576,52.615 70.491,52.297 70.326,52.012 70.093,51.779 69.808,51.614 69.49,51.529 69.16,51.529 68.842,51.614 68.557,51.779 68.324,52.012 68.159,52.297 68.073,52.615
  pour cut-out: 51.8,50.9 49.4,50.9 49.4,48.5 51.8,48.5
  pour cut-out: 28.3,49.1 25.9,49.1 25.9,46.7 28.3,46.7
Int1 (GND):
  pour cut-out: 53.372,112.541 cw(c53.372,111.583) 54.05,112.26 59.78,106.53 ccw(c61.3,108.05) 61.3,105.9 69.751,105.9 cw(c69.752,103.853) 71.2,105.3 71.688,104.812 ccw(c72.2,105.324) 72.2,104.6 81.199,104.6 cw(c81.199,103.5) 81.978,104.278 83.178,103.078 cw(c82.501,102.401) 83.458,102.4 83.458,95.8 cw(c82.501,95.8) 83.178,95.122 81.866,93.811 cw(c81.189,94.488) 81.189,93.53 79.185,93.625 79.185,95.1 79.893,95.1 ccw(c79.893,96.807) 81.1,95.6 ccw(c79.893,96.807) 81.6,96.807 81.6,101.476 ccw(c80.577,101.476) 81.3,102.2 ccw(c80.234,101.135) 80.233,102.642 71.882,102.642 ccw(c71.881,102.419) 71.658,102.418 71.658,101.8 71.6,96.9 71.6,96.501 cw(c69.776,96.5) 71.065,95.21 69.74,93.885 cw(c69.063,94.562) 69.062,93.604 67.385,93.725 67.385,95.475 68.802,95.457 cw(c68.803,95.406) 68.839,95.442 cw(c68.876,95.405) 68.876,95.457 68.916,95.457 ccw(c68.916,95.58) 69.003,95.493 69.484,95.974 ccw(c68.861,96.597) 69.742,96.597 69.742,101.116 ccw(c68.918,101.117) 69.5,101.7 69.283,101.917 ccw(c69.003,101.799) 68.959,102.1 59.066,102.1 cw(c59.066,103.465) 58.1,102.5 53.354,107.246 ccw(c52.501,106.395) 52.5,107.6 ccw(c52.5,106.7) 51.6,106.7 51.6,99.592 cw(c50.523,99.591) 51.284,98.829 50.578,98.122 cw(c49.9,98.799) 49.9,97.842 47.176,97.842 47.176,99.758 49.42,99.758 49.42,99.77 49.517,99.77 ccw(c49.517,100.038) 49.785,100.038 49.785,105.86 ccw(c49.403,105.86) 49.403,106.242 45.6,106.3 45.109,106.3 cw(c45.108,107.059) 44.571,106.522 41.395,109.699 ccw(c41.395,109.778) 41.45,109.722 42.752,111.056 45.109,108.7 ccw(c46.158,109.526) 46,108.2 47.659,108.2 ccw(c47.739,108.265) 47.728,108.162 ccw(c47.591,108.495) 47.924,108.357 47.924,108.62 46.845,109.699 48.076,110.931 ccw(c47.617,111.39) 48.266,111.416 ccw(c48.259,111.433) 48.276,111.426 50.5,112.5 cw(c50.666,112.238) 50.734,112.541
  pour cut-out: 78.9,91.062 ccw(c78.162,91.062) 78.162,91.8 75.738,91.8 ccw(c75.738,91.062) 75,91.062 75,88.638 ccw(c75.738,88.638) 75.738,87.9 78.162,87.9 ccw(c78.162,88.638) 78.9,88.638
  pour cut-out: 67.262,91.136 ccw(c66.524,91.136) 66.524,91.874 64.1,91.874 ccw(c64.1,91.136) 63.362,91.136 63.362,88.712 ccw(c64.1,88.712) 64.1,87.974 66.524,87.974 ccw(c66.524,88.712) 67.262,88.712
  pour cut-out: 47.526,95.336 ccw(c46.788,95.336) 46.788,96.074 44.364,96.074 ccw(c44.364,95.336) 43.626,95.336 43.626,92.912 ccw(c44.364,92.912) 44.364,92.174 46.788,92.174 ccw(c46.788,92.912) 47.526,92.912
  pour cut-out: 35.923,95.362 ccw(c35.185,95.362) 35.185,96.1 32.761,96.1 ccw(c32.761,95.362) 32.023,95.362 32.023,92.938 ccw(c32.761,92.938) 32.761,92.2 35.185,92.2 ccw(c35.185,92.938) 35.923,92.938
  pour cut-out: 68.125,61.78 70.525,61.78 70.525,64.18 68.125,64.18
  pour cut-out: 35.025,99.115 35.025,98.885 35.085,98.662 35.2,98.463 35.363,98.3 35.562,98.185 35.785,98.125 36.015,98.125 38.369,98.125 38.538,98.185 38.737,98.3 38.808,98.371 39.214,98.861 39.615,99.396 39.675,100.985 39.675,107.815 39.615,109.506 39.115,110.138 39,110.337 38.837,110.5 38.322,111.014 37.052,109.688 37.763,109.1 37.859,108.881 37.925,107.815 37.803,99.958 35.785,99.875 35.623,99.811 35.363,99.7 35.2,99.537 35.085,99.338
  pour cut-out: 28.3,49.1 25.9,49.1 25.9,46.7 28.3,46.7
  pour cut-out: 28.3,49.1 25.9,49.1 25.9,46.7 28.3,46.7
  pour cut-out: 51.8,50.9 49.4,50.9 49.4,48.5 51.8,48.5
  pour cut-out: 68.073,47.865 68.159,48.183 68.324,48.468 68.557,48.701 68.842,48.866 69.16,48.951 69.49,48.951 69.808,48.866 70.093,48.701 70.326,48.468 70.491,48.183 70.576,47.865 70.576,47.535 70.491,47.217 70.326,46.932 70.093,46.699 69.808,46.534 69.49,46.449 69.16,46.449 68.842,46.534 68.557,46.699 68.324,46.932 68.159,47.217 68.073,47.535
  pour cut-out: 51.852,47.035 51.766,46.717 51.601,46.432 51.368,46.199 51.083,46.034 50.765,45.948 50.435,45.948 50.117,46.034 49.832,46.199 49.599,46.432 49.434,46.717 49.349,47.035 49.349,47.365 49.434,47.683 49.599,47.968 49.832,48.201 50.117,48.366 50.435,48.451 50.765,48.451 51.083,48.366 51.368,48.201 51.601,47.968 51.766,47.683 51.852,47.365
  pour cut-out: 51.852,44.495 51.766,44.177 51.601,43.892 51.368,43.659 51.083,43.494 50.765,43.408 50.435,43.408 50.117,43.494 49.832,43.659 49.599,43.892 49.434,44.177 49.349,44.495 49.349,44.825 49.434,45.143 49.599,45.428 49.832,45.661 50.117,45.826 50.435,45.911 50.765,45.911 51.083,45.826 51.368,45.661 51.601,45.428 51.766,45.143 51.852,44.825
  pour cut-out: 51.852,41.955 51.766,41.637 51.601,41.352 51.368,41.119 51.083,40.954 50.765,40.868 50.435,40.868 50.117,40.954 49.832,41.119 49.599,41.352 49.434,41.637 49.349,41.955 49.349,42.285 49.434,42.603 49.599,42.888 49.832,43.121 50.117,43.286 50.435,43.371 50.765,43.371 51.083,43.286 51.368,43.121 51.601,42.888 51.766,42.603 51.852,42.285
  pour cut-out: 28.352,42.695 28.266,42.377 28.101,42.092 27.868,41.859 27.583,41.694 27.265,41.608 26.935,41.608 26.617,41.694 26.332,41.859 26.099,42.092 25.934,42.377 25.849,42.695 25.849,43.025 25.934,43.343 26.099,43.628 26.332,43.861 26.617,44.026 26.935,44.111 27.265,44.111 27.583,44.026 27.868,43.861 28.101,43.628 28.266,43.343 28.352,43.025
  pour cut-out: 28.352,45.235 28.266,44.917 28.101,44.632 27.868,44.399 27.583,44.234 27.265,44.148 26.935,44.148 26.617,44.234 26.332,44.399 26.099,44.632 25.934,44.917 25.849,45.235 25.849,45.565 25.934,45.883 26.099,46.168 26.332,46.401 26.617,46.566 26.935,46.651 27.265,46.651 27.583,46.566 27.868,46.401 28.101,46.168 28.266,45.883 28.352,45.565
  pour cut-out: 68.073,60.565 68.159,60.883 68.324,61.168 68.557,61.401 68.842,61.566 69.16,61.651 69.49,61.651 69.808,61.566 70.093,61.401 70.326,61.168 70.491,60.883 70.576,60.565 70.576,60.235 70.491,59.917 70.326,59.632 70.093,59.399 69.808,59.234 69.49,59.149 69.16,59.149 68.842,59.234 68.557,59.399 68.324,59.632 68.159,59.917 68.073,60.235
  pour cut-out: 68.073,52.945 68.159,53.263 68.324,53.548 68.557,53.781 68.842,53.946 69.16,54.031 69.49,54.031 69.808,53.946 70.093,53.781 70.326,53.548 70.491,53.263 70.576,52.945 70.576,52.615 70.491,52.297 70.326,52.012 70.093,51.779 69.808,51.614 69.49,51.529 69.16,51.529 68.842,51.614 68.557,51.779 68.324,52.012 68.159,52.297 68.073,52.615
Int2 (PWR):
  pour cut-out: 78.9,91.062 ccw(c78.162,91.062) 78.162,91.8 75.738,91.8 ccw(c75.738,91.062) 75,91.062 75,88.638 ccw(c75.738,88.638) 75.738,87.9 78.162,87.9 ccw(c78.162,88.638) 78.9,88.638
  pour cut-out: 67.262,91.136 ccw(c66.524,91.136) 66.524,91.874 64.1,91.874 ccw(c64.1,91.136) 63.362,91.136 63.362,88.712 ccw(c64.1,88.712) 64.1,87.974 66.524,87.974 ccw(c66.524,88.712) 67.262,88.712
  pour cut-out: 47.526,95.336 ccw(c46.788,95.336) 46.788,96.074 44.364,96.074 ccw(c44.364,95.336) 43.626,95.336 43.626,92.912 ccw(c44.364,92.912) 44.364,92.174 46.788,92.174 ccw(c46.788,92.912) 47.526,92.912
  pour cut-out: 35.923,95.362 ccw(c35.185,95.362) 35.185,96.1 32.761,96.1 ccw(c32.761,95.362) 32.023,95.362 32.023,92.938 ccw(c32.761,92.938) 32.761,92.2 35.185,92.2 ccw(c35.185,92.938) 35.923,92.938
  pour cut-out: 68.125,61.78 70.525,61.78 70.525,64.18 68.125,64.18
  pour cut-out: 51.8,50.9 49.4,50.9 49.4,48.5 51.8,48.5
  pour cut-out: 51.852,41.955 51.766,41.637 51.601,41.352 51.368,41.119 51.083,40.954 50.765,40.868 50.435,40.868 50.117,40.954 49.832,41.119 49.599,41.352 49.434,41.637 49.349,41.955 49.349,42.285 49.434,42.603 49.599,42.888 49.832,43.121 50.117,43.286 50.435,43.371 50.765,43.371 51.083,43.286 51.368,43.121 51.601,42.888 51.766,42.603 51.852,42.285
  pour cut-out: 68.073,47.865 68.159,48.183 68.324,48.468 68.557,48.701 68.842,48.866 69.16,48.951 69.49,48.951 69.808,48.866 70.093,48.701 70.326,48.468 70.491,48.183 70.576,47.865 70.576,47.535 70.491,47.217 70.326,46.932 70.093,46.699 69.808,46.534 69.49,46.449 69.16,46.449 68.842,46.534 68.557,46.699 68.324,46.932 68.159,47.217 68.073,47.535
  pour cut-out: 28.3,49.1 25.9,49.1 25.9,46.7 28.3,46.7
  pour cut-out: 51.852,47.035 51.766,46.717 51.601,46.432 51.368,46.199 51.083,46.034 50.765,45.948 50.435,45.948 50.117,46.034 49.832,46.199 49.599,46.432 49.434,46.717 49.349,47.035 49.349,47.365 49.434,47.683 49.599,47.968 49.832,48.201 50.117,48.366 50.435,48.451 50.765,48.451 51.083,48.366 51.368,48.201 51.601,47.968 51.766,47.683 51.852,47.365
  pour cut-out: 51.852,44.495 51.766,44.177 51.601,43.892 51.368,43.659 51.083,43.494 50.765,43.408 50.435,43.408 50.117,43.494 49.832,43.659 49.599,43.892 49.434,44.177 49.349,44.495 49.349,44.825 49.434,45.143 49.599,45.428 49.832,45.661 50.117,45.826 50.435,45.911 50.765,45.911 51.083,45.826 51.368,45.661 51.601,45.428 51.766,45.143 51.852,44.825
  pour cut-out: 28.352,42.695 28.266,42.377 28.101,42.092 27.868,41.859 27.583,41.694 27.265,41.608 26.935,41.608 26.617,41.694 26.332,41.859 26.099,42.092 25.934,42.377 25.849,42.695 25.849,43.025 25.934,43.343 26.099,43.628 26.332,43.861 26.617,44.026 26.935,44.111 27.265,44.111 27.583,44.026 27.868,43.861 28.101,43.628 28.266,43.343 28.352,43.025
  pour cut-out: 28.352,45.235 28.266,44.917 28.101,44.632 27.868,44.399 27.583,44.234 27.265,44.148 26.935,44.148 26.617,44.234 26.332,44.399 26.099,44.632 25.934,44.917 25.849,45.235 25.849,45.565 25.934,45.883 26.099,46.168 26.332,46.401 26.617,46.566 26.935,46.651 27.265,46.651 27.583,46.566 27.868,46.401 28.101,46.168 28.266,45.883 28.352,45.565
  pour cut-out: 68.073,60.565 68.159,60.883 68.324,61.168 68.557,61.401 68.842,61.566 69.16,61.651 69.49,61.651 69.808,61.566 70.093,61.401 70.326,61.168 70.491,60.883 70.576,60.565 70.576,60.235 70.491,59.917 70.326,59.632 70.093,59.399 69.808,59.234 69.49,59.149 69.16,59.149 68.842,59.234 68.557,59.399 68.324,59.632 68.159,59.917 68.073,60.235
  pour cut-out: 68.073,52.945 68.159,53.263 68.324,53.548 68.557,53.781 68.842,53.946 69.16,54.031 69.49,54.031 69.808,53.946 70.093,53.781 70.326,53.548 70.491,53.263 70.576,52.945 70.576,52.615 70.491,52.297 70.326,52.012 70.093,51.779 69.808,51.614 69.49,51.529 69.16,51.529 68.842,51.614 68.557,51.779 68.324,52.012 68.159,52.297 68.073,52.615
  pour cut-out: 68.073,47.865 68.159,48.183 68.324,48.468 68.557,48.701 68.842,48.866 69.16,48.951 69.49,48.951 69.808,48.866 70.093,48.701 70.326,48.468 70.491,48.183 70.576,47.865 70.576,47.535 70.491,47.217 70.326,46.932 70.093,46.699 69.808,46.534 69.49,46.449 69.16,46.449 68.842,46.534 68.557,46.699 68.324,46.932 68.159,47.217 68.073,47.535
  pour cut-out: 68.073,47.865 68.159,48.183 68.324,48.468 68.557,48.701 68.842,48.866 69.16,48.951 69.49,48.951 69.808,48.866 70.093,48.701 70.326,48.468 70.491,48.183 70.576,47.865 70.576,47.535 70.491,47.217 70.326,46.932 70.093,46.699 69.808,46.534 69.49,46.449 69.16,46.449 68.842,46.534 68.557,46.699 68.324,46.932 68.159,47.217 68.073,47.535
Signal Bottom:
  pour cut-out: 68.073,60.565 68.159,60.883 68.324,61.168 68.557,61.401 68.842,61.566 69.16,61.651 69.49,61.651 69.808,61.566 70.093,61.401 70.326,61.168 70.491,60.883 70.576,60.565 70.576,60.235 70.491,59.917 70.326,59.632 70.093,59.399 69.808,59.234 69.49,59.149 69.16,59.149 68.842,59.234 68.557,59.399 68.324,59.632 68.159,59.917 68.073,60.235
  pour cut-out: 68.073,52.945 68.159,53.263 68.324,53.548 68.557,53.781 68.842,53.946 69.16,54.031 69.49,54.031 69.808,53.946 70.093,53.781 70.326,53.548 70.491,53.263 70.576,52.945 70.576,52.615 70.491,52.297 70.326,52.012 70.093,51.779 69.808,51.614 69.49,51.529 69.16,51.529 68.842,51.614 68.557,51.779 68.324,52.012 68.159,52.297 68.073,52.615
  pour cut-out: 28.3,49.1 25.9,49.1 25.9,46.7 28.3,46.7
  pour cut-out: 51.8,50.9 49.4,50.9 49.4,48.5 51.8,48.5
  pour cut-out: 68.125,61.78 70.525,61.78 70.525,64.18 68.125,64.18
  pour cut-out: 28.352,45.235 28.266,44.917 28.101,44.632 27.868,44.399 27.583,44.234 27.265,44.148 26.935,44.148 26.617,44.234 26.332,44.399 26.099,44.632 25.934,44.917 25.849,45.235 25.849,45.565 25.934,45.883 26.099,46.168 26.332,46.401 26.617,46.566 26.935,46.651 27.265,46.651 27.583,46.566 27.868,46.401 28.101,46.168 28.266,45.883 28.352,45.565

## Silkscreen, mask and mechanical layers (free items; w line width, h text height)
Top Overlay:
  lines w0.254: 108.406,39.122 108.406,124.6 ; 25.125,69.522 45.9,69.5 ; 25.125,69.522 25.125,124.495 25.125,69.522 ; 25.125,69.522 45.9,69.5 ; 45.9,65.5 25.125,65.5 45.9,65.5 ; 45.9,65.5 50.9,65.5 ; 45.9,65.5 50.9,65.5 ; 45.9,69.5 52.5,69.5 ; 45.9,69.5 52.5,69.5 ; 50.9,65.5 54.8,61.6 ; 50.9,65.5 54.8,61.6 ; 52.5,69.5 57.6,64.4 ; 52.5,69.5 57.6,64.4 ; 54.8,61.6 56.4,60 ; 54.8,61.6 56.4,60 ; 56.4,60 62.031,54.494 ; 56.4,60 62.031,54.494 ; 57.6,64.4 59.214,62.814 ; 57.6,64.4 59.214,62.814 ; 59.214,62.814 63.4,58.7 ; 59.214,62.814 63.4,58.7 ; 62.031,54.494 62.545,54.5 62.031,54.494 ; 63.4,58.7 68.5,58.6 ; 63.4,58.7 68.5,58.6 ; 68.5,54.5 62.031,54.5 68.5,54.5 ; 68.5,54.5 75.1,54.5 ; 68.5,54.5 75.1,54.5 ; 68.5,58.6 76.4,58.6 ; 68.5,58.6 76.4,58.6 ; 75.1,54.5 76.134,53.466 ; 75.1,54.5 76.134,53.466 ; 76.134,53.466 76.134,39.1 76.134,53.466 ; 76.4,58.6 78.317,56.683 ; 76.4,58.6 78.317,56.683 ; 78.317,56.683 80.1,55 ; 78.317,56.683 80.1,55 ; 80.1,55 80.1,39.1 80.1,55 ; 25.125,39.183 25.125,65.44 25.125,39.183
  text "HSD_D" at 32.274,101.021 h1.8
  text "HSD_C" at 43.96,101.021 h1.8
  text "HSD_B" at 63.685,96.845 h1.8
  text "HSD_A" at 75.372,96.845 h1.8
  text "CAN_TX" at 25.45,54.463 h1.2
  text "CAN_TX" at 25.45,54.463 h1.2
  text "CAN_RX" at 25.45,52.163 h1.2
  text "CAN_RX" at 25.45,52.163 h1.2
  text "HB" at 36.05,49.65 h1.2
  text "BOOT" at 28.85,40.07 h1.8
  text "UART" at 44.35,40.07 h1.8
  text "JTAG" at 61.747,40.07 h1.8
Bottom Overlay:
  drawing of 28 lines, arcs and shapes, not listed
  text "In Gabagool" at 95.2,64.133 h1.8
  text "We Trust" at 92.849,61.918 h1.8
Top Paste:
  lines w0.456: 65.962,92.874 65.962,94.222 66.612,94.872 66.612,92.874 ; 67.262,92.874 67.262,94.251 ; 77.6,92.8 77.6,94.148 78.25,94.798 78.25,92.8 ; 78.9,92.8 78.9,94.177
  lines w0.7: 46.317,111.582 49.299,108.6 53.4,108.6 58.934,103.066 69.434,103.066 70.7,101.8 70.7,96.2 69.062,94.562 66.951,94.562 ; 50.737,111.582 53.372,111.582 60.054,104.9 70.2,104.9 71.5,103.6 81.3,103.6 82.5,102.4 82.5,95.8 81.189,94.489 78.589,94.489 ; 66.639,94.874 66.951,94.562 ; 67.262,94.251 66.951,94.562 ; 78.277,94.8 78.589,94.489 ; 78.9,94.177 78.589,94.489